# Altium PCB KB-Mouse Interface.PcbDoc (part 1 of 2)
Units mil, origin at the board's own origin, x right, y up, seen from the top; angles counter-clockwise.
Board outline 5787.4 x 4015.75 mil, 2 copper layers (Top Layer, Bottom Layer); 66 components, 141 nets, 504 pads, 138 vias.
Unrouted connection lines stored in the file: 1.
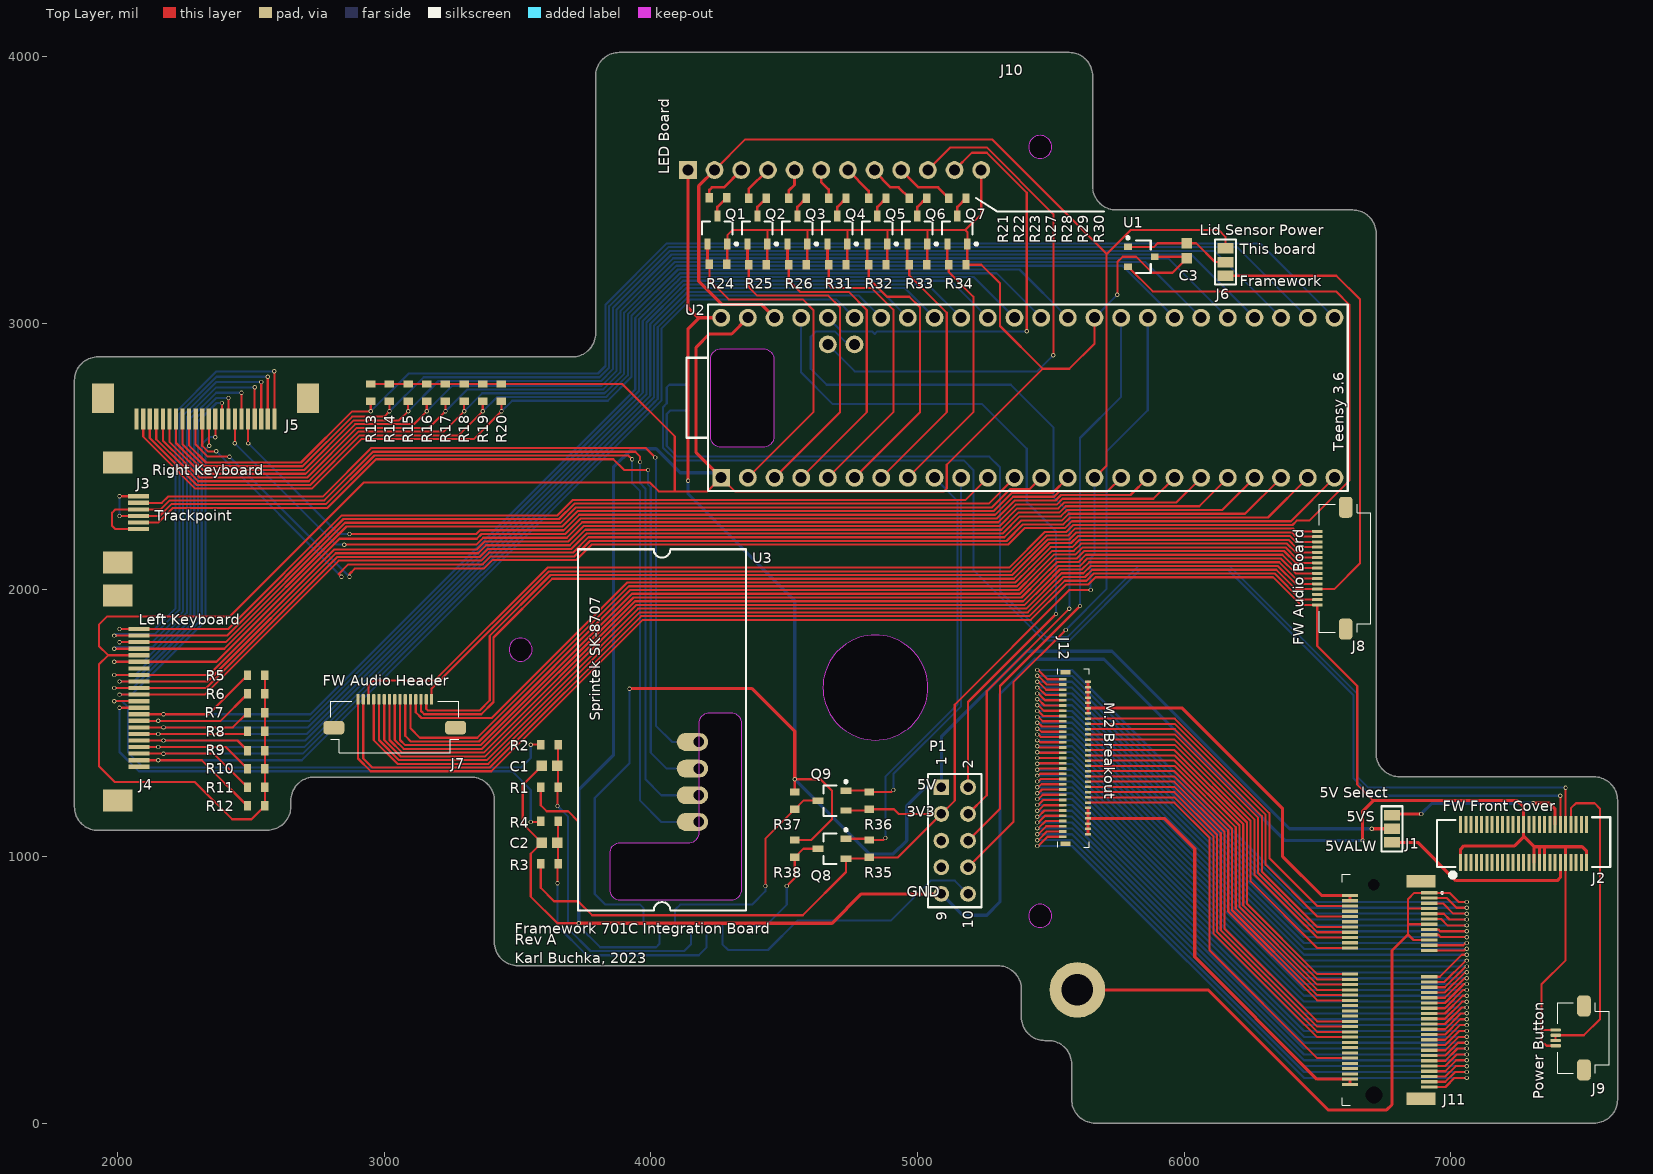
[diagram p0: Top Layer view]
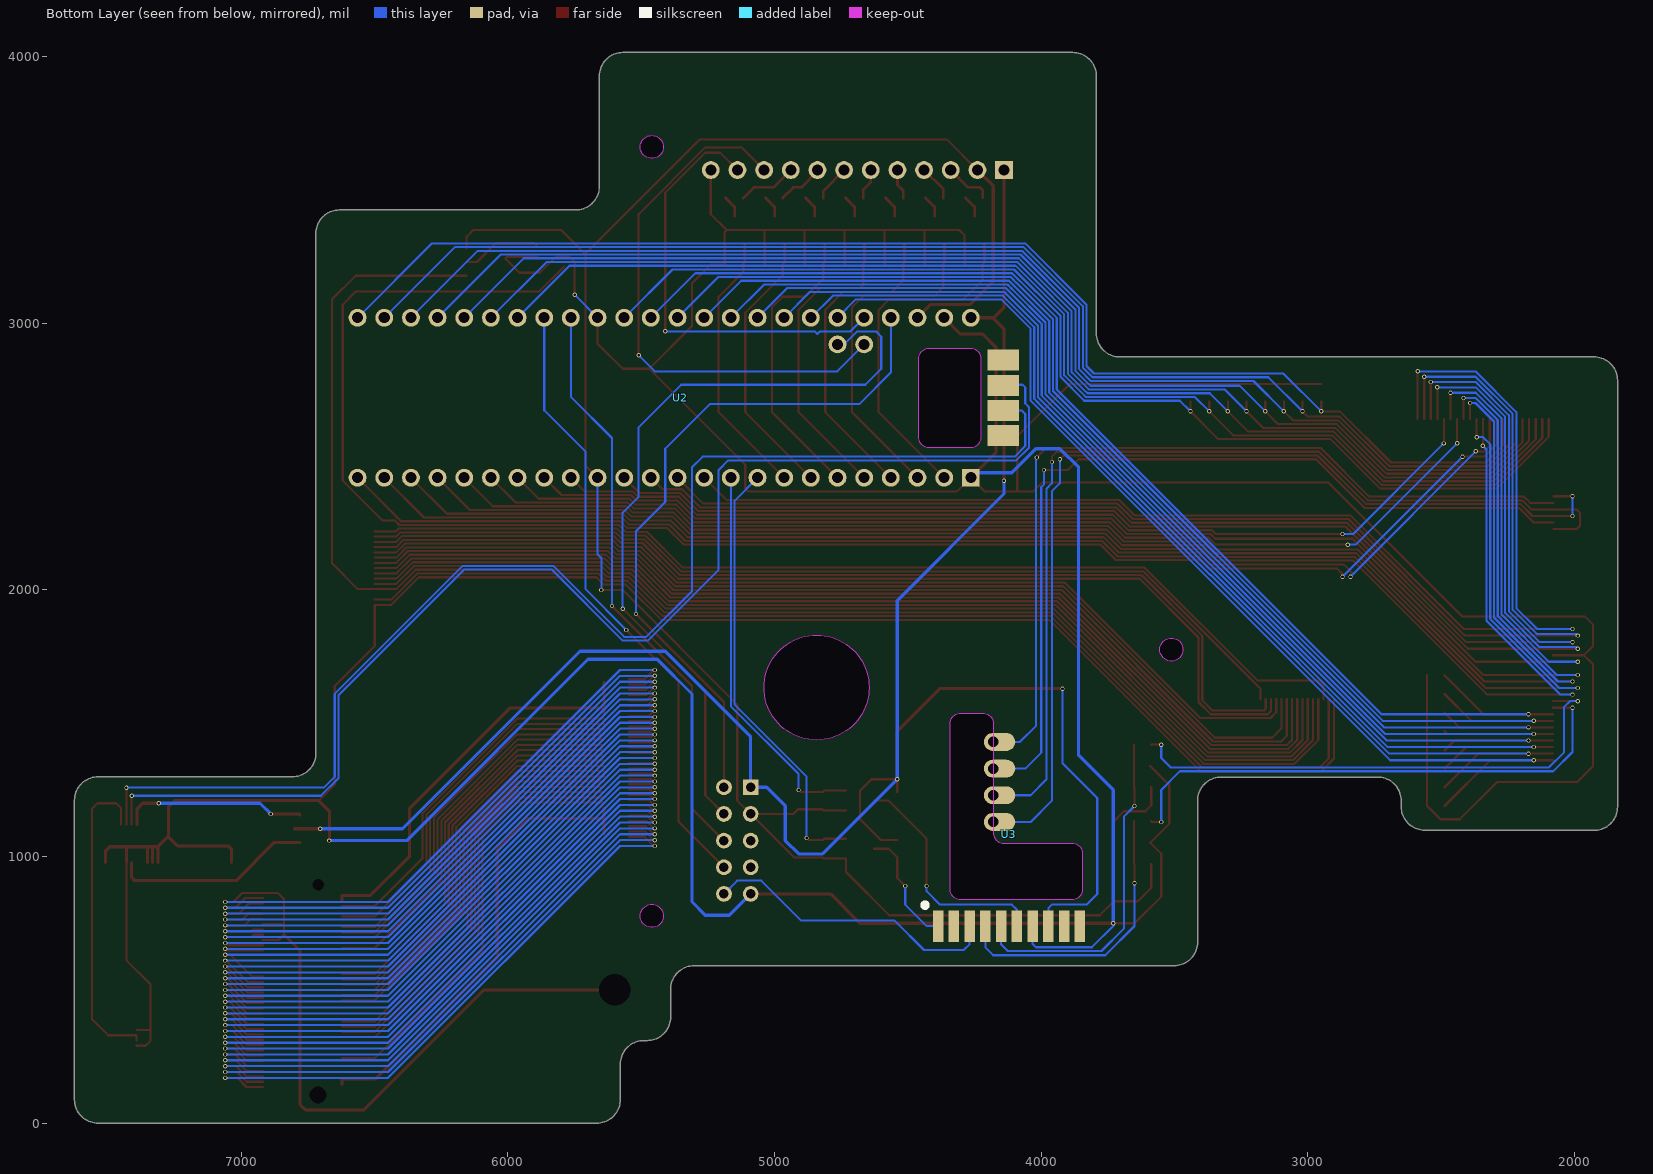
[diagram p1: Bottom Layer view, seen from below]

## Layer stack, top to bottom
Top Solder: solder mask 0.4, Solder Resist, Dk 3.5
Top Layer: signal copper 1.4
Dielectric 1: dielectric 12.6, FR-4, Dk 4.8
Bottom Layer: signal copper 1.4
Bottom Solder: solder mask 0.4, Solder Resist, Dk 3.5

## Board outline
1838.58,1186.51 ccw(c1926.84,1186.51) 1926.84,1098.25 2561.75,1099.33 ccw(c2561.75,1187.58) 2650,1187.58 2650,1210 cw(c2738.25,1210) 2738.25,1298.25 3325.13,1298.25 cw(c3325.13,1210) 3413.39,1210 3413.39,679.06 ccw(c3501.64,679.06) 3501.64,590.8 5301.75,590.8 cw(c5301.75,502.55) 5390,502.55 5390,398.25 ccw(c5478.25,398.25) 5478.25,310 5490.49,310 cw(c5490.49,221.75) 5578.74,221.75 5578.74,88.5 ccw(c5666.99,88.5) 5666.99,0.25 7537.73,0.25 ccw(c7537.73,88.5) 7625.98,88.5 7625.98,1211.21 ccw(c7537.73,1211.21) 7537.73,1299.46 6808.73,1299.46 cw(c6808.73,1387.72) 6720.47,1387.72 6720.47,3337.21 ccw(c6632.23,3337.21) 6632.23,3425.45 5745.73,3425.45 cw(c5745.73,3513.7) 5657.48,3513.7 5657.48,3927.74 ccw(c5569.23,3927.74) 5569.23,4016 3881.56,4016 ccw(c3881.56,3927.74) 3793.31,3927.74 3793.31,2962.52 cw(c3705.05,2962.52) 3705.05,2874.27 1926.84,2874.27 ccw(c1926.84,2786.01) 1838.58,2786.01
cut-out: 5417.32,777.81 ccw(c5460.63,777.81) 5460.63,734.5 ccw(c5460.63,777.81) 5503.94,777.81 ccw(c5460.63,777.81) 5460.63,821.12 ccw(c5460.63,777.81)
cut-out: 3468.5,1776.23 ccw(c3511.81,1776.23) 3511.81,1732.93 ccw(c3511.81,1776.23) 3555.12,1776.23 ccw(c3511.81,1776.23) 3511.81,1819.54 ccw(c3511.81,1776.23)
cut-out: 5417.32,3661.67 ccw(c5460.63,3661.67) 5460.63,3618.36 ccw(c5460.63,3661.67) 5503.94,3661.67 ccw(c5460.63,3661.67) 5460.63,3704.97 ccw(c5460.63,3661.67)
cut-out: 4645.67,1634.11 ccw(c4842.52,1634.11) 4842.52,1437.26 ccw(c4842.52,1634.11) 5039.37,1634.11 ccw(c4842.52,1634.11) 4842.52,1830.96 ccw(c4842.52,1634.11)

## Design rules (kind name [scope] priority, off if disabled: settings)
Clearance [All] p1: gap=6 ignorepadtopadclearanceinfootprint=FALSE except(0: Arc-Hole Track-Hole SMDPad-Hole THPad-Hole Via-Hole Fill-Hole Poly-Hole Region-Hole Text-Hole)
PolygonConnect [All] p1: connectstyle=Relief reliefconductorwidth=10 reliefentries=4 polygonreliefangle="90 Angle" airgapwidth=10
RoomDefinition U_M [InComponentClass('U_M')] p1 off: confinementstyle=ConfineIn formatcopy=TRUE lockcomponents=FALSE outline 7650,100 8950,100 8950,1750 7650,1750
RoomDefinition "U_Trackpoint Amplifier" [InComponentClass('U_Trackpoint Amplifier')] p2 off: confinementstyle=ConfineIn formatcopy=TRUE lockcomponents=FALSE outline 1050,1100 6950,1100 6950,5050 1050,5050
RoomDefinition "U_Status LEDs" [InComponentClass('U_Status LEDs')] p3 off: confinementstyle=ConfineIn formatcopy=TRUE lockcomponents=FALSE outline 6950,1100 6950,5050 1050,5050 1050,1100
RoomDefinition U_MCU [InComponentClass('U_MCU')] p4 off: confinementstyle=ConfineIn formatcopy=TRUE lockcomponents=FALSE outline 6950,1100 6950,5200 950,5200 950,1100
RoomDefinition "U_Lid Sensor" [InComponentClass('U_Lid Sensor')] p5 off: confinementstyle=ConfineIn formatcopy=TRUE lockcomponents=FALSE outline 1050,1100 6950,1100 6950,5100 1050,5100
RoomDefinition U_Keyboard [InComponentClass('U_Keyboard')] p6 off: confinementstyle=ConfineIn formatcopy=TRUE lockcomponents=FALSE outline 1050,1050 6950,1050 6950,5000 1050,5000
RoomDefinition "U_Input Connector" [InComponentClass('U_Input Connector')] p7 off: confinementstyle=ConfineIn formatcopy=TRUE lockcomponents=FALSE outline 6950,1088.27 6950,4950 1050,4950 1050,1088.27
RoomDefinition "Top Level" [InComponentClass('Top Level')] p8 off: confinementstyle=ConfineIn formatcopy=TRUE lockcomponents=FALSE outline 1050,5050 1050,1020 6950,1020 6950,5050
RoutingVias [All] p1: holewidth=10 width=16 viastyle="Through Hole" minholewidth=8 minwidth=12 maxholewidth=16 maxwidth=20
SolderMaskExpansion [All] p1: expansion=4
Width [All] p1: maxlimit=12 minlimit=8 preferedwidth=10 minimp=50.000000 maximp=50.000000 favimp=50.000000
30 further rules are at their usual default settings.

## Classes and differential pairs
component class U_M: J11 J12
component class "U_Trackpoint Amplifier": Q8 Q9 R35 R36 R37 R38 U3
component class "U_Status LEDs": Q1 Q2 Q3 Q4 Q5 Q6 Q7 R21 R22 R23 R24 R25 R26 R27 R28 R29 R30 R31 R32 R33 R34
component class U_MCU: U2
component class "U_Lid Sensor": C3 J6 J7 J8 U1
component class U_Keyboard: C1 C2 J3 J4 J5 R1 R2 R3 R4 R5 R6 R7 R8 R9 R10 R11 R12 R13 R14 R15 R16 R17 R18 R19 R20
component class "U_Input Connector": J1 J2
component class "Top Level": J9 J10 P1

## Components (designator, comment, footprint, x,y, rotation, side; value= is the part's Value field where it differs from the comment)
C1 "100nF" CAP_SM0603_YAGEOCC2_N 3620,1340 r0 top
C2 "100nF" CAP_SM0603_YAGEOCC2_N 3620,1052.44 r0 top
C3 "100nF" CAP_SM0603_YAGEOCC2_N 6010,3272 r90 top
J1 "Jumper SMD 3" "Jumper SMD 3" 6780,1078.82 r90 top
J2 "10156000-051100LF" 10156000-051100LF 7273.78,1049.13 r180 top
J3 "52204-0690" 52204-0690 2040,2290 r270 top
J4 "52204-2290" 52204-2290 2040.63,1595.32 r270 top
J5 "52204-2290" 52204-2290 2330,2680 r180 top
J6 "Jumper SMD 3" "Jumper SMD 3" 6155.29,3255.59 r270 top
J7 "5051101592" 5051101592 3039.68,1590 r0 top
J8 "5051101592" 5051101592 6500,2081.89 r90 top
J9 "5051100492" 5051100492 7393.7,320.08 r90 top
J10 "PPTC121LGBN-RC" PPTC121LGBN-RC 4139.37,3575.05 r90 top
J11 "MDT275E01001" MDT275E01001 6712.32,500 r270 top
J12 "5020786162" 5020786162 5545.31,1369.84 r270 top
P1 "Header 5X2" HDR2X5 5090,1260 r270 top
Q1 "RHK005N03T146" "RHK005N03T146 - SOT95P280X110-3N" 4250,3350 r90 top
Q2 "RHK005N03T146" "RHK005N03T146 - SOT95P280X110-3N" 4400,3350 r90 top
Q3 "RHK005N03T146" "RHK005N03T146 - SOT95P280X110-3N" 4550,3350 r90 top
Q4 "RHK005N03T146" "RHK005N03T146 - SOT95P280X110-3N" 4700,3350 r90 top
Q5 "RHK005N03T146" "RHK005N03T146 - SOT95P280X110-3N" 4850,3350 r90 top
Q6 "RHK005N03T146" "RHK005N03T146 - SOT95P280X110-3N" 5000,3350 r90 top
Q7 "RHK005N03T146" "RHK005N03T146 - SOT95P280X110-3N" 5150,3350 r90 top
Q8 "RHK005N03T146" "RHK005N03T146 - SOT95P280X110-3N" 4680,1029.69 r180 top
Q9 "RHK005N03T146" "RHK005N03T146 - SOT95P280X110-3N" 4680,1210 r180 top
R1 "10K" RES_SM0603_YAGEORC_N 3620,1260 r0 top
R2 "10K" RES_SM0603_YAGEORC_N 3620,1420 r0 top
R3 "10K" RES_SM0603_YAGEORC_N 3620,972.44 r0 top
R4 "10K" RES_SM0603_YAGEORC_N 3620,1132.44 r0 top
R5 "10K" RES_SM0603_YAGEORC_N 2520,1680 r0 top
R6 "10K" RES_SM0603_YAGEORC_N 2520,1610 r0 top
R7 "10K" RES_SM0603_YAGEORC_N 2520,1540 r0 top
R8 "10K" RES_SM0603_YAGEORC_N 2520,1470 r0 top
R9 "10K" RES_SM0603_YAGEORC_N 2520,1397.72 r0 top
R10 "10K" RES_SM0603_YAGEORC_N 2520,1330 r0 top
R11 "10K" RES_SM0603_YAGEORC_N 2520,1260 r0 top
R12 "10K" RES_SM0603_YAGEORC_N 2520,1190 r0 top
R13 "10K" RES_SM0603_YAGEORC_N 2950,2740 r90 top
R14 "10K" RES_SM0603_YAGEORC_N 3020,2740 r90 top
R15 "10K" RES_SM0603_YAGEORC_N 3090,2740 r90 top
R16 "10K" RES_SM0603_YAGEORC_N 3160,2740 r90 top
R17 "10K" RES_SM0603_YAGEORC_N 3230,2740 r90 top
R18 "10K" RES_SM0603_YAGEORC_N 3300,2740 r90 top
R19 "10K" RES_SM0603_YAGEORC_N 3370,2740 r90 top
R20 "10K" RES_SM0603_YAGEORC_N 3440,2740 r90 top
R21 "680R" RES_SM0603_YAGEORC_N 4252.56,3471.5 r180 top
R22 "680R" RES_SM0603_YAGEORC_N 4400,3470 r180 top
R23 "680R" RES_SM0603_YAGEORC_N 4550,3470 r180 top
R24 "4K7" RES_SM0603_YAGEORC_N 4252.56,3221.5 r180 top
R25 "4K7" RES_SM0603_YAGEORC_N 4400,3220 r180 top
R26 "4K7" RES_SM0603_YAGEORC_N 4550,3220 r180 top
R27 "680R" RES_SM0603_YAGEORC_N 4700,3470 r180 top
R28 "680R" RES_SM0603_YAGEORC_N 4850,3470 r180 top
R29 "680R" RES_SM0603_YAGEORC_N 5002.24,3470 r180 top
R30 "680R" RES_SM0603_YAGEORC_N 5150,3470 r180 top
R31 "4K7" RES_SM0603_YAGEORC_N 4700,3220 r180 top
R32 "4K7" RES_SM0603_YAGEORC_N 4850,3220 r180 top
R33 "4K7" RES_SM0603_YAGEORC_N 5002.24,3220 r180 top
R34 "4K7" RES_SM0603_YAGEORC_N 5150,3220 r180 top
R35 "10K" RES_SM0603_YAGEORC_N 4820,1029.69 r270 top
R36 "10K" RES_SM0603_YAGEORC_N 4820,1210 r270 top
R37 "10K" RES_SM0603_YAGEORC_N 4540,1210 r90 top
R38 "10K" RES_SM0603_YAGEORC_N 4540,1029.69 r90 top
U1 "TCS40DPR,LF" "TCS40DPR,LF - SOT23127P600-8N" 5840,3250 r0 top
U2 "Teensy 3.6 USB breakout" "Teensy 3.6 - USB Breakout" 4264.17,2421.12 r90 top
U3 "SK8707" SK8707 4298.11,955.83 r90 bottom

## Footprints (in the part's own frame and the unit in brackets; to place one, negate y for a bottom-side part, rotate by r counter-clockwise, add the part's x,y. Pads: shape width x height; smd on the part's side, far side on the other; paste and mask are expansions set on the pad)
52204-0690 [mm] "Molex 0.625mm FPC, 6 pin"
  rect 0.4x2 smd: 1(-1.562,1) 2(-0.937,1) 3(-0.312,1) 4(0.312,1) 5(0.937,1) 6(1.562,1)
  rect 2.1x2.8 smd: 7(-4.762,-1) 8(4.762,-1)
52204-2290 [mm] "Molex 0.625mm FPC, 2 pin"
  rect 0.4x2 smd: 1(-6.56,1) 2(-5.935,1) 3(-5.31,1) 4(-4.685,1) 5(-4.06,1) 6(-3.436,1) 7(-2.811,1) 8(-2.186,1) 9(-1.562,1) 10(-0.937,1) 11(-0.312,1) 12(0.312,1) 13(0.937,1) 14(1.562,1) 15(2.187,1) 16(2.812,1) 17(3.437,1) 18(4.062,1) 19(4.686,1) 20(5.311,1) 21(5.936,1) 22(6.56,1)
  rect 2.1x2.8 smd: 23(-9.763,-1) 23(9.763,-1)
10156000-051100LF [mm]
  rect 0.3x1.6 smd: 1(6,1.8) 2(6,-1.8) 3(5.5,1.8) 4(5.5,-1.8) 5(5,1.8) 6(5,-1.8) 7(4.5,1.8) 8(4.5,-1.8) 9(4,1.8) 10(4,-1.8) 11(3.5,1.8) 12(3.5,-1.8) 13(3,1.8) 14(3,-1.8) 15(2.5,1.8) 16(2.5,-1.8) 17(2,1.8) 18(2,-1.8) 19(1.5,1.8) 20(1.5,-1.8) 21(1,1.8) 22(1,-1.8) 23(0.5,1.8) 24(0.5,-1.8) 25(0,1.8) 26(0,-1.8) 27(-0.5,1.8) 28(-0.5,-1.8) 29(-1,1.8) 30(-1,-1.8) 31(-1.5,1.8) 32(-1.5,-1.8) 33(-2,1.8) 34(-2,-1.8) 35(-2.5,1.8) 36(-2.5,-1.8) 37(-3,1.8) 38(-3,-1.8) 39(-3.5,1.8) 40(-3.5,-1.8) 41(-4,1.8) 42(-4,-1.8) 43(-4.5,1.8) 44(-4.5,-1.8) 45(-5,1.8) 46(-5,-1.8) 47(-5.5,1.8) 48(-5.5,-1.8) 49(-6,1.8) 50(-6,-1.8)
  silkscreen extent -8.25,-2.5 8.25,3.2, body extent -8.15,-2.3 8.15,2.3, height 2.75
5020786162 [mm] "Conn FPC Connector SKT 61 POS 0.25mm Solder RA SMD T/R"
  rect 0.25x0.72 smd: 1(7.5,0) 3(7,0) 5(6.5,0) 7(6,0) 9(5.5,0) 11(5,0) 13(4.5,0) 15(4,0) 17(3.5,0) 19(3,0) 21(2.5,0) 23(2,0) 25(1.5,0) 27(1,0) 29(0.5,0) 31(0,0) 33(-0.5,0) 35(-1,0) 37(-1.5,0) 39(-2,0) 41(-2.5,0) 43(-3,0) 45(-3.5,0) 47(-4,0) 49(-4.5,0) 51(-5,0) 53(-5.5,0) 55(-6,0) 57(-6.5,0) 59(-7,0) 61(-7.5,0)
  rect 0.25x0.57 smd: 2(7.25,2.405) 4(6.75,2.405) 6(6.25,2.405) 8(5.75,2.405) 10(5.25,2.405) 12(4.75,2.405) 14(4.25,2.405) 16(3.75,2.405) 18(3.25,2.405) 20(2.75,2.405) 22(2.25,2.405) 24(1.75,2.405) 26(1.25,2.405) 28(0.75,2.405) 30(0.25,2.405) 32(-0.25,2.405) 34(-0.75,2.405) 36(-1.25,2.405) 38(-1.75,2.405) 40(-2.25,2.405) 42(-2.75,2.405) 44(-3.25,2.405) 46(-3.75,2.405) 48(-4.25,2.405) 50(-4.75,2.405) 52(-5.25,2.405) 54(-5.75,2.405) 56(-6.25,2.405) 58(-6.75,2.405) 60(-7.25,2.405)
  rect 0.4x0.95 smd: 62(8.17,0.265) 63(-8.17,0.265)
  silkscreen extent -8.5,-0.5 8.5,2.5, body extent -8.5,-0.45 8.5,2.53, height 0.99
5051100492 [mm] "CONN FPC BOTTOM 4POS .5MM R/A"
  rrect50% 0.3x1 smd: 1(-0.75,0) 2(-0.25,0) 3(0.25,0) 4(0.75,0)
  rrect50% 2x1.3 smd: 5(-3.05,-2.7) 6(3.05,-2.7)
  silkscreen extent -3.35,-5.1 3.35,-0.2, body extent -3.75,-5.1 3.75,0.2, height 1.88
5051101592 [mm] "CONN FPC BOTTOM 15POS .5MM R/A"
  rrect50% 0.3x1 smd: 1(-3.5,0) 2(-3,0) 3(-2.5,0) 4(-2,0) 5(-1.5,0) 6(-1,0) 7(-0.5,0) 8(0,0) 9(0.5,0) 10(1,0) 11(1.5,0) 12(2,0) 13(2.5,0) 14(3,0) 15(3.5,0)
  rrect50% 2x1.3 smd: 16(-5.8,-2.7) 17(5.8,-2.7)
  silkscreen extent -6.1,-5.1 6.1,-0.2, body extent -6.5,-5.1 6.5,0.2, height 1.88
CAP_SM0603_YAGEOCC2_N [mm] "Capacitor, Yageo CC Class2, SM0603, IPC Medium Density"
  rect 1x1 smd: 1(-0.727,0) 2(0.727,0)
  body extent -0.9,-0.5 0.9,0.5, height 0.9
HDR2X5 [mm] "Connector; Header; 5x2 Position"
  rect 1.5x1.5 hole 0.9: 1(0,0)
  round 1.5 hole 0.9: 2(0,2.54) 3(2.54,0) 4(2.54,2.54) 5(5.08,0) 6(5.08,2.54) 7(7.62,0) 8(7.62,2.54) 9(10.16,0) 10(10.16,2.54)
  silkscreen extent -1.27,-1.27 11.43,3.81
"Jumper SMD 3" [mm]
  rect 1x1.5 smd: 1(-0.65,0) 2(0.65,0) 3(1.95,0)
  silkscreen extent -1.5,-1 2.8,1
MDT275E01001 [mm] "CONN M.2 E FMALE 67POS 0.020 GOLD"
  rect 0.3x1.55 smd: 1(-9.25,5.275) 2(-9,-2.275) 3(-8.75,5.275) 4(-8.5,-2.275) 5(-8.25,5.275) 6(-8,-2.275) 7(-7.75,5.275) 8(-7.5,-2.275) 9(-7.25,5.275) 10(-7,-2.275) 11(-6.75,5.275) 12(-6.5,-2.275) 13(-6.25,5.275) 14(-6,-2.275) 15(-5.75,5.275) 16(-5.5,-2.275) 17(-5.25,5.275) 18(-5,-2.275) 19(-4.75,5.275) 20(-4.5,-2.275) 21(-4.25,5.275) 22(-4,-2.275) 23(-3.75,5.275) 32(-1.5,-2.275) 33(-1.25,5.275) 34(-1,-2.275) 35(-0.75,5.275) 36(-0.5,-2.275) 37(-0.25,5.275) 38(0,-2.275) 39(0.25,5.275) 40(0.5,-2.275) 41(0.75,5.275) 42(1,-2.275) 43(1.25,5.275) 44(1.5,-2.275) 45(1.75,5.275) 46(2,-2.275) 47(2.25,5.275) 48(2.5,-2.275) 49(2.75,5.275) 50(3,-2.275) 51(3.25,5.275) 52(3.5,-2.275) 53(3.75,5.275) 54(4,-2.275) 55(4.25,5.275) 56(4.5,-2.275) 57(4.75,5.275) 58(5,-2.275) 59(5.25,5.275) 60(5.5,-2.275) 61(5.75,5.275) 62(6,-2.275) 63(6.25,5.275) 64(6.5,-2.275) 65(6.75,5.275) 66(7,-2.275) 67(7.25,5.275) 68(7.5,-2.275) 69(7.75,5.275) 70(8,-2.275) 71(8.25,5.275) 72(8.5,-2.275) 73(8.75,5.275) 74(9,-2.275) 75(9.25,5.275)
  rect 1.2x2.75 smd: 76(10.35,4.5) 77(-10.35,4.5)
  round 0 hole 1.1 unplated: 77(-10,0)
  round 0 hole 1.6 unplated: 77(10,0)
  round 0 hole 3 unplated: 78(0,-28.25)
  round 5.3 smd paste-2.65: 79(0,-28.25)
  silkscreen extent -11,-3 11,6.63, body extent -11,-2.85 11,5.7, height 2.7
PPTC121LGBN-RC [mm] "CONN HDR 12POS 0.1 TIN PCB R/A"
  rect 1.7x1.7 hole 1.05: 1(0,0)
  round 1.7 hole 1.05: 2(0,-2.54) 3(0,-5.08) 4(0,-7.62) 5(0,-10.16) 6(0,-12.7) 7(0,-15.24) 8(0,-17.78) 9(0,-20.32) 10(0,-22.86) 11(0,-25.4) 12(0,-27.94)
  body extent -0.23,-29.46 10.07,1.52, height 2.54
RES_SM0603_YAGEORC_N [mm] "Resistor, Yageo RC_L, SM0603, IPC Medium Density"
  rect 0.7x0.9 smd: 1(-0.827,0) 2(0.827,0)
  body extent -0.85,-0.45 0.85,0.45, height 0.55
"RHK005N03T146 - SOT95P280X110-3N" [mm] "SOT23, 3-Leads, Body 2.90x2.80mm, Pitch 0.95mm, IPC Medium Density"
  rect 1.05x0.6 smd: 1(-1.325,-0.95) 2(-1.325,0.95) 3(1.325,0)
  silkscreen extent -1.45,-1.92 0.8,1.45, body extent -0.8,-1.45 0.8,1.45, height 1.1
SK8707 [mm] "PS2 Trackpoint Amplifier"
  rect 3x1 smd: 1(-5.5,2.25) 2(-5.5,0.75) 3(-5.5,-0.75) 4(-5.5,-2.25) 5(-5.5,-3.75) 6(-5.5,-5.25) 7(-5.5,-6.75) 8(-5.5,-8.25) 9(-5.5,-9.75) 10(-5.5,-11.25)
  rect 2x0.5 on Mech1: 1(0,0) 2(0,-1) 3(0,-2) 4(0,-3) 5(0,-4) 6(0,-5) 7(0,-6) 8(0,-7) 9(0,-8) 10(0,-9)
  rect 1.5x1.8 on Mech1: TP_GND(9.504,-2.5) TP_VCC(12.044,-2.5) TP_XSIG(4.424,-2.5) TP_YSIG(6.964,-2.5)
  oval 1.7x3 hole 1 unplated copper offset 0,-0.6: TP_GND(9.504,-3) TP_VCC(12.044,-3) TP_XSIG(4.424,-3) TP_YSIG(6.964,-3)
  Keep-Out Layer board cut-out: 2.4,-4 2.4,-10.5 2.266,-11 1.9,-11.366 1.4,-11.5 1.4,-11.5 -2,-11.5 -2.383,-11.424 -2.707,-11.207 -2.924,-10.883 -3,-10.5 -3,-10.5 -3,0.1 -2.866,0.6 -2.5,0.966 -2,1.1 -2,1.1 13.8,1.1 14.183,1.024 14.507,0.807 14.724,0.483 14.8,0.1 14.8,0.1 14.8,-2 14.724,-2.383 14.507,-2.707 14.183,-2.924 13.8,-3 13.8,-3 3.4,-3 3.017,-3.076 2.693,-3.293 2.476,-3.617 2.4,-4
  silkscreen extent -3.7,3.3 -3.3,3.7
"TCS40DPR,LF - SOT23127P600-8N" [mm] "Hall Effect / Magnetic Sensor"
  rect 0.75x0.6 smd: 1(-1.275,0.95) 2(-1.275,-0.95) 3(1.275,0)
  silkscreen extent -1.4,-1.55 0.9,1.92, body extent -0.9,-1.55 0.9,1.55, height 0.9
"Teensy 3.6 - USB Breakout" [mm]
  rect 1.7x1.7 hole 1.05: 1(0,0)
  round 1.7 hole 1.05: 2(0,-2.54) 3(0,-5.08) 4(0,-7.62) 5(0,-10.16) 6(0,-12.7) 7(0,-15.24) 8(0,-17.78) 9(0,-20.32) 10(0,-22.86) 11(0,-25.4) 12(0,-27.94) 13(0,-30.48) 14(0,-33.02) 15(0,-35.56) 16(0,-38.1) 17(0,-40.64) 18(0,-43.18) 19(0,-45.72) 20(0,-48.26) 21(0,-50.8) 22(0,-53.34) 23(0,-55.88) 24(0,-58.42) 25(15.24,-58.42) 26(15.24,-55.88) 27(15.24,-53.34) 28(15.24,-50.8) 29(15.24,-48.26) 30(15.24,-45.72) 31(15.24,-43.18) 32(15.24,-40.64) 33(15.24,-38.1) 34(15.24,-35.56) 35(15.24,-33.02) 36(15.24,-30.48) 37(15.24,-27.94) 38(15.24,-25.4) 39(15.24,-22.86) 40(15.24,-20.32) 41(15.24,-17.78) 42(15.24,-15.24) 43(15.24,-12.7) 44(15.24,-10.16) 45(15.24,-7.62) 46(15.24,-5.08) 47(15.24,-2.54) 48(15.24,0) 56(12.7,-10.16) 57(12.7,-12.7)
  rect 2x3 smd far side: 58(4,3.1) 59(6.4,3.1) 60(8.8,3.1) 61(11.2,3.1)
  Keep-Out Layer board cut-out: 3.9,1 11.3,1 11.683,0.924 12.007,0.707 12.224,0.383 12.3,0 12.3,0 12.3,-4 12.166,-4.5 11.8,-4.866 11.3,-5 11.3,-5 3.9,-5 3.517,-4.924 3.193,-4.707 2.976,-4.383 2.9,-4 2.9,-4 2.9,0 3.034,0.5 3.4,0.866 3.9,1
  silkscreen extent -1.27,-59.69 16.51,3.3, body extent -1.29,-59.7 16.49,1.65, height 4.31

## Part data
C1 C2 C3: library part CC0603KRX7R9BB104, "CAP 100nF SM0603 X7R 50V YAGEO CC2", Manufacturer=Yageo, Package=0603, Supplier Part Number 1=1362556, Tolerance (%)=10, Voltage Rating (Volts)=50, Category=Capacitor, ComponentLink1Description="Manufacturer Website", ComponentLink1URL=http://www.yageo.com, Manufacturer Part Number=CC0603KRX7R9BB104, Supplier 1=Farnell, Supplier 2=Digi-Key, Supplier Part Number 2=311-1344-1-ND
J9: "CONN FPC BOTTOM 4POS .5MM R/A"
J10: "CONN HDR 12POS 0.1 TIN PCB R/A"
J11: "CONN M.2 E FMALE 67POS 0.020 GOLD"
J12: "Conn FPC Connector SKT 61 POS 0.25mm Solder RA SMD T/R"
P1: "Header, 5-Pin, Dual row", LatestRevisionDate=17-Jul-2002, LatestRevisionNote="Re-released for DXP Platform.", Publisher="Altium Limited"
Q1 Q2 Q3 Q4 Q5 Q6 Q7 Q8 Q9: "MOSFET N-CH 30V 500MA"
R1 R2 R3 R4 R5 R6 R7 R8 R9 R10 R11 R12 R13 R14 R15 R16 R17 R18 R19 R20 R35 R36 R37 R38: library part RC0603FR-0710KL, "RES 10K SM0603 YAGEO RC_L", Manufacturer=Yageo, Package=0603, Power (Watts)=0.1, Resistance (Ohms)=10000, Supplier Part Number 1=9238603, Tolerance (%)=1, Category=Resistor, ComponentLink1Description="Manufacturer Website", ComponentLink1URL=http://www.yageo.com, Manufacturer Part Number=RC0603FR-0710KL, Supplier 1=Farnell, Supplier 2=Digi-Key, Supplier Part Number 2=311-10.0KHRCT-ND
R21 R22 R23 R27 R28 R29 R30: library part RC0603FR-07680RL, "RES 680R SM0603 YAGEO RC_L", Manufacturer=Yageo, Package=0603, Power (Watts)=0.1, Resistance (Ohms)=680, Supplier Part Number 1=9238468, Tolerance (%)=1, Category=Resistor, ComponentLink1Description="Manufacturer Website", ComponentLink1URL=http://www.yageo.com, Manufacturer Part Number=RC0603FR-07680RL, Supplier 1=Farnell, Supplier 2=Digi-Key, Supplier Part Number 2=311-680HRCT-ND
R24 R25 R26 R31 R32 R33 R34: library part RC0603FR-074K7L, "RES 4K7 SM0603 YAGEO RC_L", Manufacturer=Yageo, Package=0603, Power (Watts)=0.1, Resistance (Ohms)=4700, Supplier Part Number 1=9238565, Tolerance (%)=1, Category=Resistor, ComponentLink1Description="Manufacturer Website", ComponentLink1URL=http://www.yageo.com, Manufacturer Part Number=RC0603FR-074K7L, Supplier 1=Farnell, Supplier 2=Digi-Key, Supplier Part Number 2=311-4.70KHRCT-ND

## Via types
v1: diameter 16, hole 10, Top Layer to Bottom Layer, 138 vias

## Nets (pads, with @x,y where several pads share a name; then routed paths per layer and width w, separated by ;. In a path a pad name is that pad's centre, name@x,y a point inside that pad or via, vN(x,y) a via of type N, cw(c..) or ccw(c..) an arc to the next point about the centre after c; other vN are vias at no path point)
3V3: J6.1 J10.2 P1.3 Q8.2 Q9.2 R1.1 R3.1 R35.2 R36.2 U2.15 U2.46 | length 8139.9
  Top Layer w8: R3.1@3587.44,972.44 3587.44,882.56 3637.24,832.76 3727.24,832.76 ; R1.1@3587.44,1260 3587.44,1192.56 3610,1170 3690,1170 3727.24,1132.76 3727.24,832.76 ; J10.2@4239.37,3575.05 4354.32,3690 5280,3690 5710,3260 ; Q9.2@4732.17,1172.6 4815.16,1172.6 R36.2@4820,1177.44 4912.56,1177.44 4930,1160 P1.3@5090,1160 ; v1(5650,2000) 5570,2000 5140,1570 5140,1210 P1.3@5090,1160 ; U2.15@5664.17,2421.12 5710,2466.94 5710,3260 ; J6.1@6155.29,3281.18 6155.29,3324.71 6130,3350 5800,3350 5710,3260 ; 3727.24,832.76 3780,780 4570,780 4732.17,942.17 Q8.2@4732.17,992.28 4815.16,992.28 R35.2@4820,997.13 4927.13,997.13 P1.3@5090,1160
  Top Layer w12: J10.2@4239.37,3575.05 4180,3515.68 4180,3158 4266.88,3071.12 4414.17,3071.12 U2.46@4464.17,3021.12
  Bottom Layer w8: v1(5650,2000) 5650,2120 5664.17,2134.17 U2.15@5664.17,2421.12
3V3_HALL: J6.3 J7.4 J8.4 | length 5792.2
  Top Layer w8: J7.4@2960.94,1590 2960.94,1437.06 3050,1348 3390.4,1348 3958.4,1916 5413.99,1916 5498.99,2001.01 5546.62,2048.63 5628.63,2048.63 5656,2076 6345.81,2076 6418.66,2003.15 J8.4@6500,2003.15 6563.15,2003.15 6660,2100 6660,3090 6571.18,3178.82 J6.3@6155.29,3178.82
5V: J1.2 J10.1 P1.1 R37.2 R38.2 U2.48 U3.8@3973.31,739.29 | length 8170.7
  Top Layer w8: R38.2@4540,1062.24 4602.24,1062.24 4680,1140 4680,1246.93 4636.93,1290 v1(4540,1290) R37.2@4540,1242.56
  Top Layer w12: v1(3920,1630) 4380,1630 4540,1470 v1(4540,1290) ; J10.1@4139.37,3575.05 4139.37,3060.63 4178.88,3021.12 4181.12,3021.12 ; v1(4140,2410) 4140,2980 4181.12,3021.12 ; U2.48@4264.17,3021.12 4181.12,3021.12 ; v1(6704.41,1104.41) J1.2@6780,1104.41 J1.2@6800,1104.41
  Bottom Layer w8: v1(3920,1630) 3920,1350 3790,1220 3790,860 3830,820 3960,820 3973.31,806.69 U3.8@3973.31,739.29
  Bottom Layer w12: v1(4140,2410) 4140,2360 4540,1960 v1(4540,1290) 4820,1010 4910,1010 4960,1060 4960,1190 5030,1260 P1.1@5090,1260 5090,1450 5410,1770 5730,1770 6395.59,1104.41 v1(6704.41,1104.41)
5VALW: J1.1 J2.39 | length 752.4
  Top Layer w12: J1.1@6780,1053.23 6876.77,1053.23 7020,910 7400,910 7411.57,921.57 J2.39@7411.57,978.27
5VS: J1.3 J2.38 | length 697.5
  Top Layer w12: J1.3@6780,1155.59 6784.41,1160 v1(6890,1160) ; v1(7310,1200) 7370,1200 7391.89,1178.11 J2.38@7391.89,1120
  Bottom Layer w12: v1(6890,1160) 6930,1200 v1(7310,1200)
6: J11.6 J12.46 | length 1372.1
  Top Layer w8: J12.46@5640,1517.48 5965.3,1517.48 6320,1162.78 6320,994.96 6500,814.96 J11.6@6622.76,814.96
10: J11.10 J12.44 | length 1391.7
  Top Layer w8: J12.44@5640,1497.8 5965.19,1497.8 6306,1156.98 6306,969.59 6500,775.59 J11.10@6622.76,775.59
14: J11.14 J12.42 | length 1411.3
  Top Layer w8: J12.42@5640,1478.11 5965.07,1478.11 6292,1151.18 6292,944.22 6500,736.22 J11.14@6622.76,736.22
16: J11.16 J12.40 | length 1411.3
  Top Layer w8: J12.40@5640,1458.43 5964.96,1458.43 6278,1145.39 6278,938.42 6499.89,716.54 J11.16@6622.76,716.54
18: J11.18 J12.38 | length 1411.3
  Top Layer w8: J12.38@5640,1438.74 5964.85,1438.74 6264,1139.59 6264,932.62 6499.77,696.85 J11.18@6622.76,696.85
22: J11.22 J12.36 | length 1430.8
  Top Layer w8: J12.36@5640,1419.06 5964.73,1419.06 6250,1133.79 6250,907.48 6500,657.48 J11.22@6622.76,657.48
32: J11.32 J12.34 | length 1509.5
  Top Layer w8: J12.34@5640,1399.37 5964.62,1399.37 6236,1127.99 6236,823.06 6500,559.06 J11.32@6622.76,559.06
34: J11.34 J12.32 | length 1509.5
  Top Layer w8: J12.32@5640,1379.68 5964.51,1379.68 6222,1122.19 6222,817.26 6499.89,539.37 J11.34@6622.76,539.37
36: J11.36 J12.30 | length 1509.5
  Top Layer w8: J12.30@5640,1360 5964.39,1360 6208,1116.39 6208,811.46 6499.77,519.68 J11.36@6622.76,519.68
38: J11.38 J12.28 | length 1509.5
  Top Layer w8: J12.28@5640,1340.32 5964.28,1340.32 6194,1110.59 6194,805.66 6499.66,500 J11.38@6622.76,500
40: J11.40 J12.26 | length 1509.5
  Top Layer w8: J12.26@5640,1320.63 5964.16,1320.63 6180,1104.79 6180,799.86 6499.54,480.31 J11.40@6622.76,480.31
42: J11.42 J12.24 | length 1509.5
  Top Layer w8: J12.24@5640,1300.94 5964.05,1300.94 6166,1098.99 6166,794.06 6499.43,460.63 J11.42@6622.76,460.63
50: J11.50 J12.22 | length 1568.1
  Top Layer w8: J12.22@5640,1281.26 5963.94,1281.26 6152,1093.2 6152,729.89 6500,381.89 J11.50@6622.76,381.89
52: J11.52 J12.20 | length 1568.1
  Top Layer w8: J12.20@5640,1261.57 5963.82,1261.57 6138,1087.4 6138,724.09 6499.89,362.2 J11.52@6622.76,362.2
54: J11.54 J12.18 | length 1568.1
  Top Layer w8: J12.18@5640,1241.89 5963.71,1241.89 6124,1081.6 6124,718.29 6499.77,342.52 J11.54@6622.76,342.52
56: J11.56 J12.16 | length 1568.1
  Top Layer w8: J12.16@5640,1222.2 5963.59,1222.2 6110,1075.8 6110,712.49 6499.66,322.83 J11.56@6622.76,322.83
64: J11.64 J12.14 | length 1626.9
  Top Layer w8: J12.14@5640,1202.52 5963.48,1202.52 6096,1070 6096,648.09 6500,244.09 J11.64@6622.76,244.09
COL_0: J4.1 J5.1 U2.11 | length 5082.7
  Top Layer w8: v1(2007.6,1853.58) J4.1@2080,1853.58 2415.19,1853.58 2841.61,2280 3650.2,2280 3708.2,2338 5181.06,2338 U2.11@5264.17,2421.12 ; J5.1@2588.27,2640.63 v1(2588.27,2820)
  Bottom Layer w8: v1(2007.6,1853.58) 2140,1853.58 2218,1931.58 2218,2666.79 2371.21,2820 v1(2588.27,2820)
COL_1: J4.2 J5.2 U2.12 | length 5189.8
  Top Layer w8: v1(1987.8,1828.98) J4.2@2080,1828.98 2410.38,1828.98 2847.41,2266 3656,2266 3714,2324 5267.06,2324 U2.12@5364.17,2421.12 ; J5.2@2563.66,2640.63 v1(2563.66,2800)
  Bottom Layer w8: v1(1987.8,1828.98) 1994.4,1835.58 2141.8,1835.58 2232,1925.78 2232,2660.99 2371.01,2800 v1(2563.66,2800)
COL_2: J4.3 J5.3 U2.13 | length 5217.7
  Top Layer w8: v1(2007.6,1804.37) J4.3@2080,1804.37 2405.58,1804.37 2853.21,2252 3661.8,2252 3719.8,2310 5280,2310 5347.65,2377.65 5420.71,2377.65 U2.13@5464.17,2421.12 ; J5.3@2539.06,2640.63 v1(2539.06,2780)
  Bottom Layer w8: v1(2007.6,1804.37) 2130.39,1804.37 2246,1919.99 2246,2655.2 2370.8,2780 v1(2539.06,2780)
COL_3: J4.4 J5.4 U2.14 | length 5324.8
  Top Layer w8: v1(1987.8,1779.76) J4.4@2080,1779.76 2400.77,1779.76 2859.01,2238 3667.6,2238 3725.6,2296 5285.8,2296 5353.45,2363.65 5506.71,2363.65 U2.14@5564.17,2421.12 ; J5.4@2514.45,2640.63 v1(2514.45,2760)
  Bottom Layer w8: v1(1987.8,1779.76) 1994.4,1786.37 2132.18,1786.37 2260,1914.19 2260,2649.4 2370.6,2760 v1(2514.45,2760)
COL_4: J5.5 U2.16 | length 3593.3
  Top Layer w8: v1(2489.84,2549.84) J5.5@2489.84,2640.63 ; v1(2870,2210) 3345.66,2210 3359.66,2224 3673.4,2224 3731.4,2282 5291.6,2282 5359.25,2349.65 5512.51,2349.65 5532.86,2370 5713.06,2370 U2.16@5764.17,2421.12
  Bottom Layer w8: v1(2489.84,2549.84) 2829.69,2210 v1(2870,2210)
COL_5: J4.6 J5.6 U2.17 | length 5588
  Top Layer w8: v1(1987.8,1730.59) J4.6@2080,1730.59 2371.4,1730.59 2832.8,2192 3347.46,2192 3365.46,2210 3679.2,2210 3737.2,2268 5297.4,2268 5365.05,2335.65 5518.31,2335.65 5538.65,2356 5799.06,2356 U2.17@5864.17,2421.12 ; J5.6@2465.28,2640.63 v1(2465.28,2740)
  Bottom Layer w8: v1(1987.8,1730.59) 2096.2,1730.59 2274,1908.39 2274,2643.6 2370.4,2740 v1(2465.28,2740)
COL_6: J5.7 U2.18 | length 3876.5
  Top Layer w8: v1(2440,2550) 2440,2639.96 J5.7@2440.67,2640.63 ; v1(2850,2170) 3345.25,2170 3371.25,2196 3684.99,2196 3742.99,2254 5303.2,2254 5369.2,2320 5522.45,2320 5544.45,2342 5885.06,2342 U2.18@5964.17,2421.12
  Bottom Layer w8: v1(2440,2550) 2820,2170 v1(2850,2170)
COL_7: J4.8 J5.8 U2.19 | length 5751.3
  Top Layer w8: v1(1987.8,1681.42) J4.8@2080,1681.38 2341.98,1681.38 2812.6,2152 3347.05,2152 3377.05,2182 3690.79,2182 3748.79,2240 5308.99,2240 5374.99,2306 5528.25,2306 5550.25,2328 5971.06,2328 U2.19@6064.17,2421.12 ; J5.8@2416.06,2640.63 v1(2416.06,2720)
  Bottom Layer w8: v1(1987.8,1681.42) 2066.83,1681.42 2288,1902.59 2288,2637.8 2370.2,2720 v1(2416.06,2720)
COL_8: J4.9 J5.9 U2.20 | length 5781.3
  Top Layer w8: v1(2007.6,1656.81) J4.9@2080,1656.81 2337.21,1656.81 2818.4,2138 3352.85,2138 3382.85,2168 3696.59,2168 3754.59,2226 5314.79,2226 5378.79,2290 5532.05,2290 5556.05,2314 6057.06,2314 U2.20@6164.17,2421.12 ; J5.9@2391.5,2640.63 v1(2391.5,2701.5)
  Bottom Layer w8: v1(2007.6,1656.81) 2062.02,1656.81 2302,1896.79 2302,2632 2371.5,2701.5 v1(2391.5,2701.5)
COL_9: J4.10 J5.10 U2.21 | length 5823.2
  Top Layer w8: v1(1987.8,1632.2) J4.10@2080,1632.2 2332.41,1632.2 2824.2,2124 3358.65,2124 3388.65,2154 3702.39,2154 3760.39,2212 5320.59,2212 5384.59,2276 5537.85,2276 5561.85,2300 6143.06,2300 U2.21@6264.17,2421.12 ; v1(2366.89,2573.11) J5.10@2366.89,2640.63
  Bottom Layer w8: v1(1987.8,1632.2) 2057.21,1632.2 2316,1890.99 2316,2546 2343.11,2573.11 v1(2366.89,2573.11)
COL_10: J4.11 J5.11 U2.22 | length 5892.5
  Top Layer w8: v1(2007.6,1607.6) J4.11@2080,1607.6 2327.6,1607.6 2830,2110 3364.45,2110 3394.45,2140 3708.19,2140 3766.19,2198 5326.39,2198 5388.39,2260 5541.65,2260 5567.65,2286 6229.06,2286 U2.22@6364.17,2421.12 ; J5.11@2342.28,2640.63 2343.59,2639.36 v1(2343.59,2540.62)
  Bottom Layer w8: v1(2007.6,1607.6) 2052.41,1607.6 2330,1885.19 2330,2527.03 v1(2343.59,2540.62)
COL_11: J5.12 U2.23 | length 4623.2
  Top Layer w8: J5.12@2317.72,2640.63 2317.72,2541.03 2338.75,2520 v1(2370,2520) ; v1(2840,2050) 2830,2060 2866,2096 3370.25,2096 3400.25,2126 3713.99,2126 3771.99,2184 5334,2184 5396,2246 5547.45,2246 5573.45,2272 6315.06,2272 U2.23@6464.17,2421.12
  Bottom Layer w8: v1(2370,2520) v1(2840,2050)
COL_12: J5.13 U2.24 | length 4730.8
  Top Layer w8: J5.13@2293.11,2640.63 2293.11,2545.84 2338.95,2500 v1(2420,2500) ; v1(2870,2050) 2870,2060 2890,2080 3374.05,2080 3406.05,2112 3719.79,2112 3777.79,2170 5339.8,2170 5401.8,2232 5553.25,2232 5579.25,2258 6401.06,2258 U2.24@6564.17,2421.12
  Bottom Layer w8: v1(2420,2500) v1(2870,2050)
GND: C1.1 C2.1 C3.1 J2.1 J2.26 J2.29 J2.31 J2.33 J2.41 J2.49 J4.5 J7.1 J8.1 J9.1 J9.4 J10.12 P1.9 Q1.1 Q2.1 Q3.1 Q4.1 Q5.1 Q6.1 Q7.1 R5.2 R6.2 R7.2 R8.2 R9.2 R10.2 R11.2 R12.2 R13.2 R14.2 R15.2 R16.2 R17.2 R18.2 R19.2 R20.2 R24.1 R25.1 R26.1 R31.1 R32.1 R33.1 R34.1 U1.3 U2.1 U2.34 U2.47 U3.7@4032.36,739.29 | length 26861.9
  Top Layer w8: J4.5@2080,1755.16 1964.84,1755.16 ; R5.2@2552.56,1680 R6.2@2552.56,1610 R7.2@2552.56,1540 R8.2@2552.56,1470 R9.2@2552.56,1397.72 R10.2@2552.56,1330 R11.2@2552.56,1260 R12.2@2552.56,1190 2502.56,1140 2430,1140 2290,1280 1990,1280 1930,1340 1930,1720.32 1964.84,1755.16 ; J7.1@2901.89,1590 2901.89,1368.11 2950,1320 3402,1320 3970,1888 5425.59,1888 5558.22,2020.63 5640.63,2020.63 5668,2048 6334.21,2048 6438.12,1944.09 J8.1@6500,1944.09 6500,1790 6650,1640 6650,1270 6710,1210 ; R13.2@2950,2772.56 R14.2@3020,2772.56 R15.2@3090,2772.56 R16.2@3160,2772.56 R17.2@3230,2772.56 R18.2@3300,2772.56 R19.2@3370,2772.56 R20.2@3440,2772.56 3893.44,2772.56 4090,2576 4090,2370 ; C1.1@3591.38,1340 3520,1268.62 3520,1123.82 C2.1@3591.38,1052.44 3550,1011.06 3550,850 3650,750 v1(3730,750) ; Q1.1@4287.4,3297.83 4287.4,3330.31 4307.09,3350 4440,3350 ; Q2.1@4437.4,3297.83 4437.4,3347.4 4440,3350 ; Q3.1@4587.4,3297.83 4587.4,3347.4 4590,3350 ; Q4.1@4737.4,3297.83 4737.4,3347.4 4740,3350 ; Q5.1@4887.4,3297.83 4887.4,3347.4 4890,3350 ; Q6.1@5037.4,3297.83 5037.4,3347.6 5035,3350 ; R34.1@5182.56,3220 5240,3220 5310,3150 5310,2990 5470,2830 ; Q7.1@5187.4,3297.83 5187.4,3342.6 5180,3350 ; J10.12@5239.37,3575.05 5239.37,3409.37 5180,3350 ; U2.34@5664.17,3021.12 5664.17,2924.17 5570,2830 5470,2830 ; v1(5750,3106.94) 5750,3230 5770,3250 5820.31,3250 5880.31,3190 5956.62,3190 C3.1@6010,3243.38 6003.38,3250 U1.3@5890.2,3250 ; J9.1@7393.7,290.55 7359.45,290.55 7340.39,309.61 7340.39,349.61 ; J9.4@7393.7,349.61 7340.39,349.61 ; J2.41@7431.26,978.27 7431.26,611.26 7340.39,520.39 7340.39,349.61 ; 1964.84,1755.16 1930,1790 1930,1870 1960,1900 2420,1900 2922.56,2402.56 3997.44,2402.56 4030,2370 4090,2370 ; 4090,2370 4213.06,2370 U2.1@4264.17,2421.12 4315.29,2370 5100,2370 5110,2380 5110,2470 5470,2830 ; 4440,3350 4590,3350 ; 4590,3350 4740,3350 ; 4740,3350 4890,3350 ; 4890,3350 5035,3350 ; 5035,3350 5180,3350
  Top Layer w10: R24.1@4285.12,3221.5 4287.4,3223.78 Q1.1@4287.4,3297.83 ; R25.1@4435.12,3221.5 4437.4,3223.78 Q2.1@4437.4,3297.83 ; R26.1@4585.12,3221.5 4587.4,3223.78 Q3.1@4587.4,3297.83 ; R31.1@4735.12,3221.5 4737.4,3223.78 Q4.1@4737.4,3297.83 ; R32.1@4885.12,3221.5 4887.4,3223.78 Q5.1@4887.4,3297.83 ; R33.1@5035.12,3221.5 5037.4,3223.78 Q6.1@5037.4,3297.83 ; R34.1@5185.12,3221.5 5187.4,3223.78 Q7.1@5187.4,3297.83
  Top Layer w12: v1(3730,750) 4680,750 4790,860 P1.9@5090,860 ; U2.1@4264.17,2421.12 4170,2515.29 4170,2910 4220,2960 4303.06,2960 U2.47@4364.17,3021.12 ; v1(6670,1060) 6670,1170 6710,1210 7250,1210 7273.78,1186.22 J2.26@7273.78,1120 7273.78,1076.22 ; J2.1@7037.56,978.27 7037.56,1027.56 7050,1040 7240,1040 7273.78,1073.78 7273.78,1076.22 ; J2.29@7313.15,978.27 7313.15,1036.85 ; J2.31@7332.83,978.27 7332.83,1034.02 7330,1036.85 ; J2.33@7352.52,978.27 7352.52,1034.33 7350,1036.85 ; J2.41@7431.26,978.27 7431.26,1036.85 ; J2.49@7510,978.27 7510,1020 7493.15,1036.85 7431.26,1036.85 ; 7273.78,1076.22 7313.15,1036.85 ; 7313.15,1036.85 7330,1036.85 ; 7330,1036.85 7350,1036.85 ; 7350,1036.85 7431.26,1036.85
  Bottom Layer w8: 3728.23,741.77 3810,660 4020,660 4032.36,672.36 U3.7@4032.36,739.29 ; U2.34@5664.17,3021.12 v1(5750,3106.94)
  Bottom Layer w12: v1(3730,750) 3730,1250 3860,1380 3860,2460 3930,2530 4020,2530 4110,2440 4245.29,2440 U2.1@4264.17,2421.12 ; P1.9@5090,860 5170,780 5260,780 5310,830 5310,1610 5440,1740 5700,1740 6380,1060 v1(6670,1060)
HALL_PWR: C3.2 J6.2 U1.1 | length 401.4
  Top Layer w8: U1.1@5789.8,3287.4 5791.2,3286 5886,3286 5900.62,3300.62 C3.2@6010,3300.62 6045.38,3300.62 6116,3230 J6.2@6155.29,3230
LID_OPEN: J7.3 U1.2 | length 5597.7
  Top Layer w8: J7.3@2941.26,1590 2941.26,1641.26 2960,1660 3188.6,1660 3612.6,2084 5344.4,2084 5478.4,2218 5559.05,2218 5585.05,2244 6406.86,2244 6422.86,2260 6470,2260 6620,2410 6620,3070 6570,3120 5882.4,3120 U1.2@5789.8,3212.6
"M.2 3V3": J11.2 J11.4 J11.72 J11.74 J12.2 J12.4 J12.6 J12.8 J12.10 J12.12 J12.48 J12.50 J12.52 J12.54 J12.56 J12.58 J12.60 | length 3260.9
  Top Layer w12: J12.2@5640,1084.41 J12.4@5640,1104.09 J12.6@5640,1123.78 J12.8@5640,1143.46 ; J12.12@5640,1182.83 J12.10@5640,1163.15 J12.8@5640,1143.46 ; J12.48@5640,1537.17 J12.50@5640,1556.85 ; J12.60@5640,1655.28 J12.58@5640,1635.59 J12.56@5640,1615.91 J12.54@5640,1596.22 J12.52@5640,1576.54 J12.50@5640,1556.85 ; J11.74@6622.76,145.67 J11.72@6622.76,165.35 6498.49,165.35 6040,623.84 6040,1030 5926.54,1143.46 J12.8@5640,1143.46 ; J11.4@6622.76,834.65 J11.2@6622.76,854.33 6515.67,854.33 6370,1000 6370,1180 5993.15,1556.85 J12.50@5640,1556.85